# KiCad board OctoCom.kicad_pcb (continued)
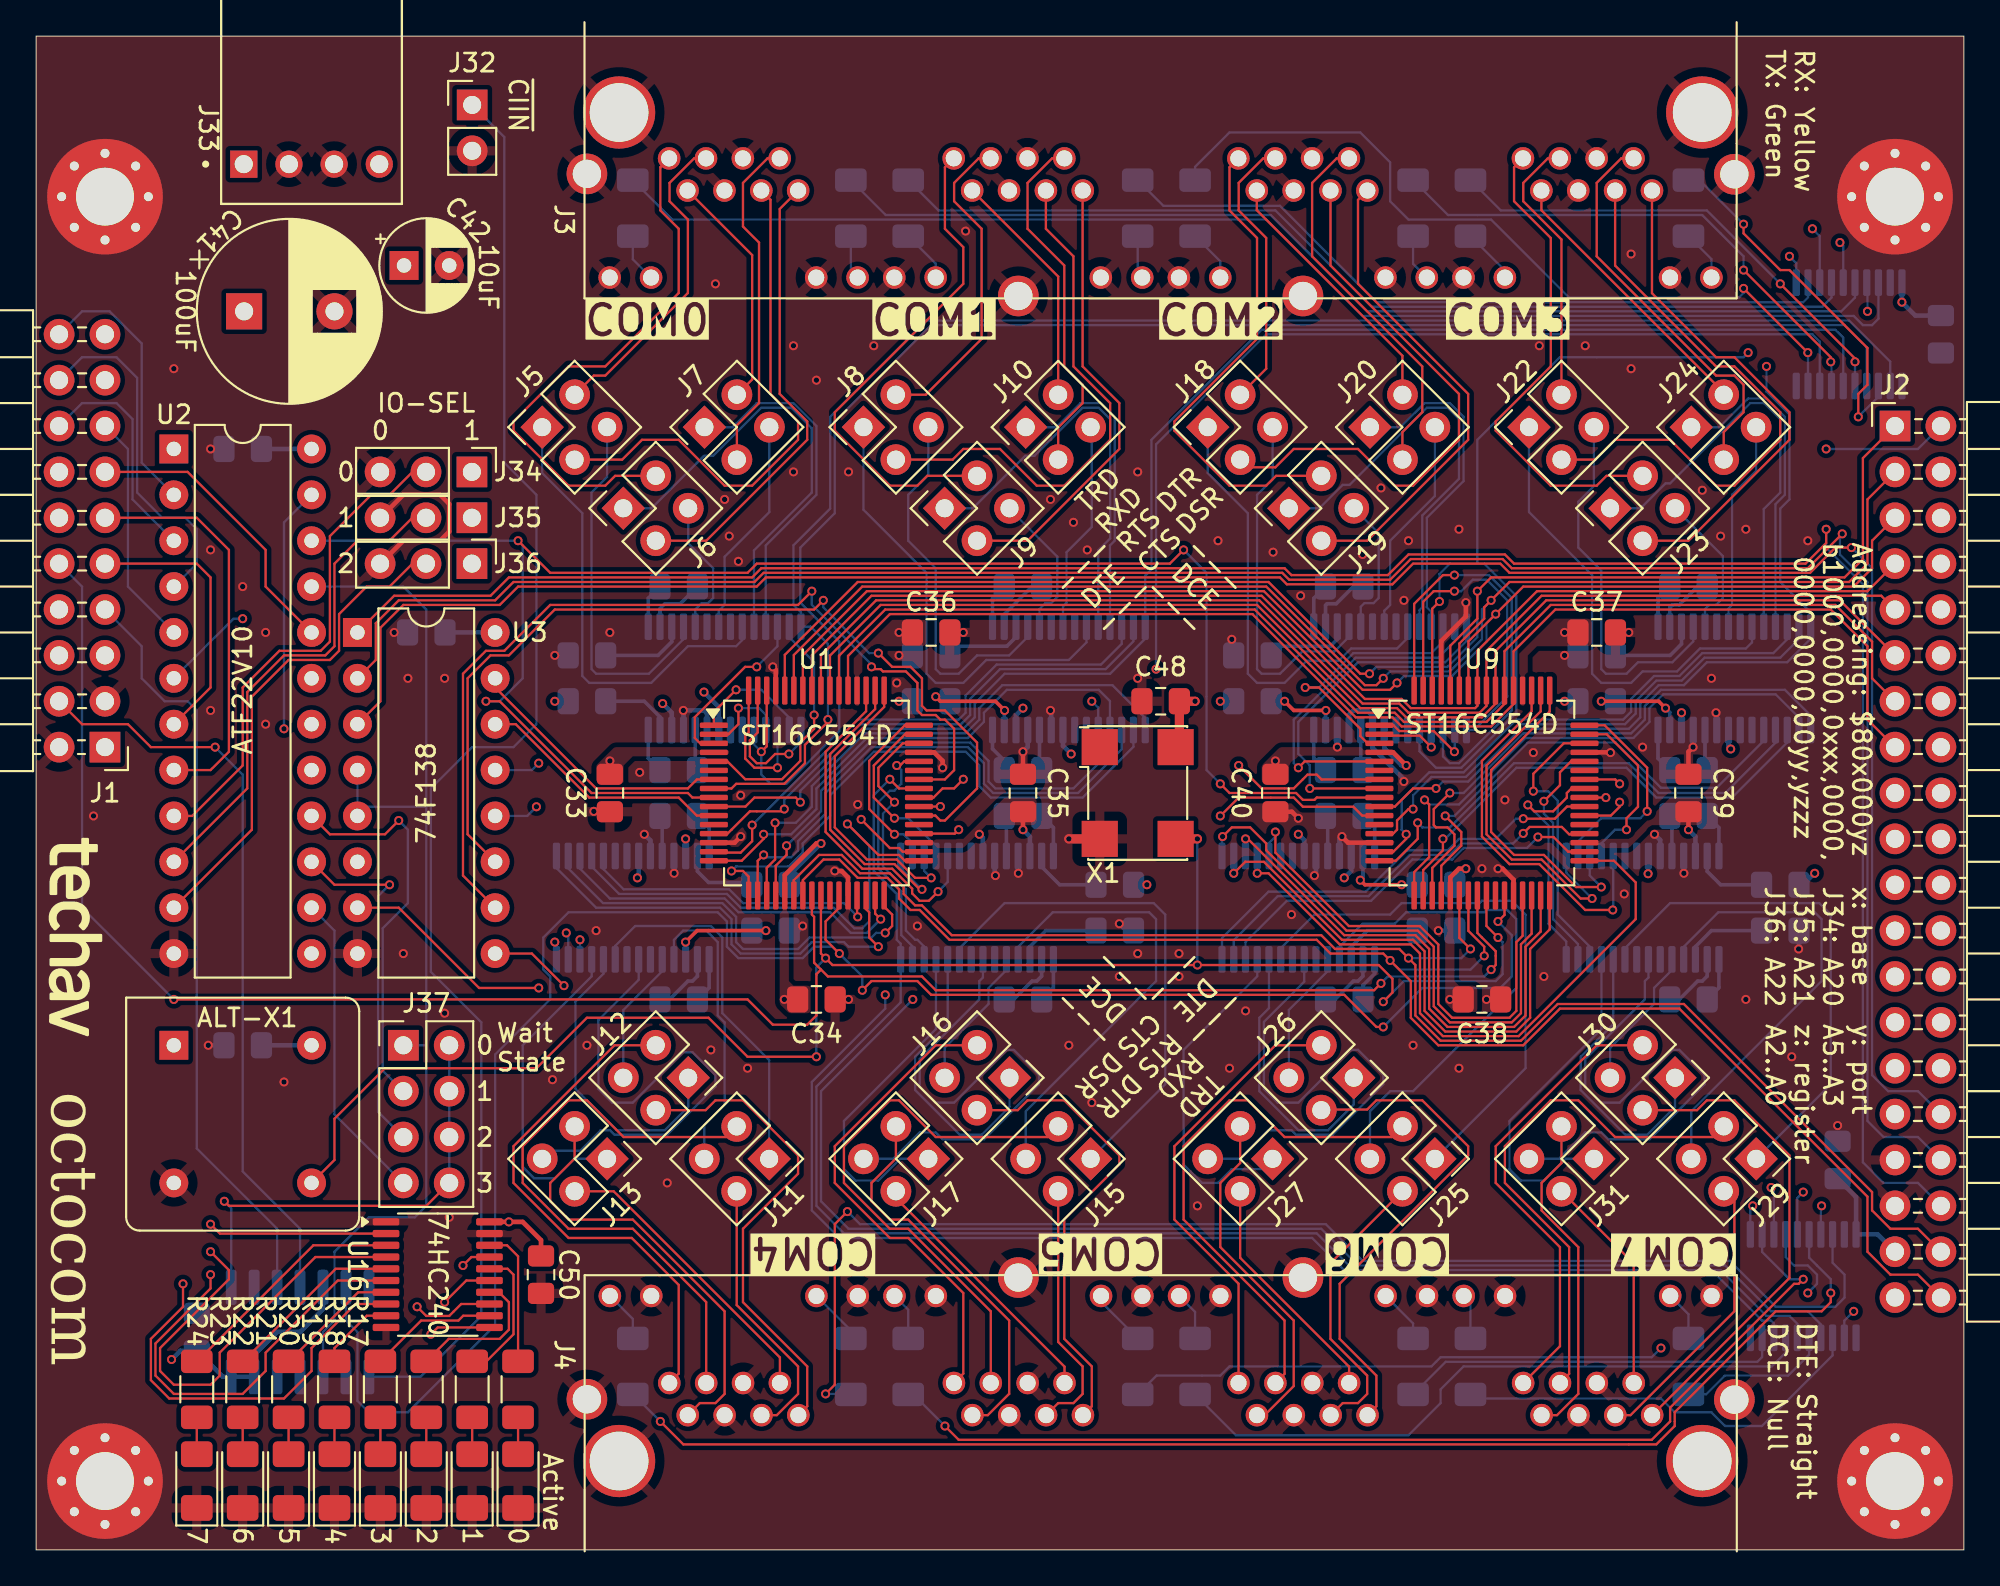
[diagram p0: board, top side]
## Footprints (pads in the part's own frame, mm; a bottom-side part is the same pattern mirrored in y, then rotated) (continued)
R_1206_3216Metric_Pad1.30x1.75mm_HandSolder
  rrect 1.3x1.75 smd: 1(-1.55,0) 2(1.55,0)
SO-14_3.9x8.65mm_P1.27mm
  rrect 1.95x0.6 smd: 1(-2.475,3.81) 2(-2.475,2.54) 3(-2.475,1.27) 4(-2.475,0) 5(-2.475,-1.27) 6(-2.475,-2.54) 7(-2.475,-3.81) 8(2.475,-3.81) 9(2.475,-2.54) 10(2.475,-1.27) 11(2.475,0) 12(2.475,1.27) 13(2.475,2.54) 14(2.475,3.81)
TE_4-171826-4
  rect 1.508x1.508 hole 1: 1(3.75,4.55)
  round 1.508 hole 1: 2(1.25,4.55) 3(-1.25,4.55) 4(-3.75,4.55)
TSSOP-20_4.4x6.5mm_P0.65mm
  rrect 1.475x0.4 smd: 1(-2.862,2.925) 2(-2.862,2.275) 3(-2.862,1.625) 4(-2.862,0.975) 5(-2.862,0.325) 6(-2.862,-0.325) 7(-2.862,-0.975) 8(-2.862,-1.625) 9(-2.862,-2.275) 10(-2.862,-2.925) 11(2.862,-2.925) 12(2.862,-2.275) 13(2.862,-1.625) 14(2.862,-0.975) 15(2.862,-0.325) 16(2.862,0.325) 17(2.862,0.975) 18(2.862,1.625) 19(2.862,2.275) 20(2.862,2.925)
TSSOP-28_4.4x9.7mm_P0.65mm
  rrect 1.475x0.4 smd: 1(-2.862,4.225) 2(-2.862,3.575) 3(-2.862,2.925) 4(-2.862,2.275) 5(-2.862,1.625) 6(-2.862,0.975) 7(-2.862,0.325) 8(-2.862,-0.325) 9(-2.862,-0.975) 10(-2.862,-1.625) 11(-2.862,-2.275) 12(-2.862,-2.925) 13(-2.862,-3.575) 14(-2.862,-4.225) 15(2.862,-4.225) 16(2.862,-3.575) 17(2.862,-2.925) 18(2.862,-2.275) 19(2.862,-1.625) 20(2.862,-0.975) 21(2.862,-0.325) 22(2.862,0.325) 23(2.862,0.975) 24(2.862,1.625) 25(2.862,2.275) 26(2.862,2.925) 27(2.862,3.575) 28(2.862,4.225)

## Nets
GND: ALT-X1.4 C4.2 C8.2 C12.2 C16.2 C20.2 C24.2 C28.2 C32.2 C33.2 C34.2 C35.2 C36.2 C37.2 C38.2 C39.2 C40.2 C41.2 C42.2 C43.2 C44.2 C45.2 C46.2 C47.2 C48.2 C49.2 C50.2 D1.1 D2.1 D3.1 D4.1 D5.1 D6.1 D7.1 D8.1 H1.1 H2.1 H3.1 H4.1 J1.2 J1.3 J2.33 J2.35 J3.A4 J3.A5 J3.A9 J3.A11 J3.B4 J3.B5 J3.B9 J3.B11 J3.C4 J3.C5 J3.C9 J3.C11 J3.D4 J3.D5 J3.D9 J3.D11 J3.SH J4.A4 J4.A5 J4.A9 J4.A11 J4.B4 J4.B5 J4.B9 J4.B11 J4.C4 J4.C5 J4.C9 J4.C11 J4.D4 J4.D5 J4.D9 J4.D11 J4.SH J32.2 J33.2 J33.3 J34.3 J35.3 J36.3 U1.14 U1.28 U1.45 U1.61 U2.12 U3.8 U4.23 U4.25 U5.23 U5.25 U6.23 U6.25 U7.23 U7.25 U8.23 U8.25 U9.14 U9.28 U9.45 U9.61 U10.23 U10.25 U11.23 U11.25 U12.1 U12.10 U12.19 U13.2 U13.7 U13.9 U13.12 U14.23 U14.25 U15.1 U15.10 U15.19 U16.1 U16.10 U16.19 X1.2
VCC: ALT-X1.8 C3.2 C6.2 C10.2 C14.2 C18.2 C22.2 C26.2 C30.2 C33.1 C34.1 C35.1 C36.1 C37.1 C38.1 C39.1 C40.1 C41.1 C42.1 C43.1 C44.1 C45.1 C46.1 C47.1 C48.1 C49.1 C50.1 J2.37 J2.39 J33.1 J34.1 J35.1 J36.1 U1.4 U1.21 U1.35 U1.52 U2.24 U3.6 U3.16 U4.22 U4.26 U5.22 U5.26 U6.22 U6.26 U7.22 U7.26 U8.22 U8.26 U9.4 U9.21 U9.35 U9.52 U10.22 U10.26 U11.22 U11.26 U12.20 U13.5 U13.13 U13.14 U14.22 U14.26 U15.20 U16.20 X1.4
/COM0-C1+: C1.1 U4.28
/COM0-C1-: C1.2 U4.24
/COM0-C2+: C2.1 U4.1
/COM0-C2-: C2.2 U4.2
/COM0-CS-LED: D1.2 R17.2
/COM0-CS-LED-R: R17.1 U16.18
/COM0-CTS: U1.2 U4.18
/COM0-CTS232: J6.4 U4.5
/COM0-DCD: U1.64 U4.17
/COM0-DCD232: U4.6
/COM0-DSR: U1.1 U4.16
/COM0-DSR232: J7.4 U4.7
/COM0-DTR: U1.3 U4.12
/COM0-DTR232: J7.1 U4.11
/COM0-IRQ: U1.6
/COM0-P2: J3.D6 J5.3
/COM0-P3: J3.D3 J5.2
/COM0-P4: J3.D2 J7.2
/COM0-P6: J3.D7 J7.3
/COM0-P7: J3.D1 J6.2
/COM0-P8: J3.D8 J6.3
/COM0-RI: U1.63 U4.15
/COM0-RI232: U4.8
/COM0-RTS: U1.5 U4.13
/COM0-RTS232: J6.1 U4.10
/COM0-RX: U1.62 U4.19 U12.4
/COM0-RX232: J5.4 U4.4
/COM0-RX-lED: J3.D12 R2.2
/COM0-RX-LED-R: R2.1 U12.16
/COM0-TX: U1.8 U4.14 U12.2
/COM0-TX232: J5.1 U4.9
/COM0-TX-LED: J3.D10 R1.2
/COM0-TX-LED-R: R1.1 U12.18
/COM0-V+: C3.1 U4.27
/COM0-V-: C4.1 U4.3
/COM1-C1+: C5.1 U5.28
/COM1-C1-: C5.2 U5.24
/COM1-C2+: C7.1 U5.1
/COM1-C2-: C7.2 U5.2
/COM1-CS-LED: D2.2 R18.2
/COM1-CS-LED-R: R18.1 U16.16
/COM1-CTS: U1.16 U5.18
/COM1-CTS232: J9.4 U5.5
/COM1-DCD: U1.18 U5.17
/COM1-DCD232: U5.6
/COM1-DSR: U1.17 U5.16
/COM1-DSR232: J10.4 U5.7
/COM1-DTR: U1.15 U5.12
/COM1-DTR232: J10.1 U5.11
/COM1-IRQ: U1.12
/COM1-P2: J3.C6 J8.3
/COM1-P3: J3.C3 J8.2
/COM1-P4: J3.C2 J10.2
/COM1-P6: J3.C7 J10.3
/COM1-P7: J3.C1 J9.2
/COM1-P8: J3.C8 J9.3
/COM1-RI: U1.19 U5.15
/COM1-RI232: U5.8
/COM1-RTS: U1.13 U5.13
/COM1-RTS232: J9.1 U5.10
/COM1-RX: U1.20 U5.19 U12.8
/COM1-RX232: J8.4 U5.4
/COM1-RX-lED: J3.C12 R4.2
/COM1-RX-LED-R: R4.1 U12.12
/COM1-TX: U1.10 U5.14 U12.6
/COM1-TX232: J8.1 U5.9
/COM1-TX-LED: J3.C10 R3.2
/COM1-TX-LED-R: R3.1 U12.14
/COM1-V+: C6.1 U5.27
/COM1-V-: C8.1 U5.3
/COM2-C1+: C9.1 U6.28
/COM2-C1-: C9.2 U6.24
/COM2-C2+: C11.1 U6.1
/COM2-C2-: C11.2 U6.2
/COM2-CS-LED: D3.2 R19.2
/COM2-CS-LED-R: R19.1 U16.14
/COM2-CTS: U1.33 U6.18
/COM2-CTS232: J12.4 U6.5
/COM2-DCD: U1.31 U6.17
/COM2-DCD232: U6.6
/COM2-DSR: U1.32 U6.16
/COM2-DSR232: J13.4 U6.7
/COM2-DTR: U1.34 U6.12
/COM2-DTR232: J13.1 U6.11
/COM2-IRQ: U1.37
/COM2-P2: J4.A6 J11.3
/COM2-P3: J4.A3 J11.2
/COM2-P4: J4.A2 J13.2
/COM2-P6: J4.A7 J13.3
/COM2-P7: J4.A1 J12.2
/COM2-P8: J4.A8 J12.3
/COM2-RI: U1.30 U6.15
/COM2-RI232: U6.8
/COM2-RTS: U1.36 U6.13
/COM2-RTS232: J12.1 U6.10
/COM2-RX: U1.29 U6.19 U15.4
/COM2-RX232: J11.4 U6.4
/COM2-RX-lED: J4.A12 R6.2
/COM2-RX-LED-R: R6.1 U15.16
/COM2-TX: U1.39 U6.14 U15.2
/COM2-TX232: J11.1 U6.9
/COM2-TX-LED: J4.A10 R5.2
/COM2-TX-LED-R: R5.1 U15.18
/COM2-V+: C10.1 U6.27
/COM2-V-: C12.1 U6.3
/COM3-C1+: C13.1 U7.28
/COM3-C1-: C13.2 U7.24
/COM3-C2+: C15.1 U7.1
/COM3-C2-: C15.2 U7.2
/COM3-CS-LED: D4.2 R20.2
/COM3-CS-LED-R: R20.1 U16.12
/COM3-CTS: U1.47 U7.18
/COM3-CTS232: J16.4 U7.5
/COM3-DCD: U1.49 U7.17
/COM3-DCD232: U7.6
/COM3-DSR: U1.48 U7.16
/COM3-DSR232: J17.4 U7.7
/COM3-DTR: U1.46 U7.12
/COM3-DTR232: J17.1 U7.11
/COM3-IRQ: U1.43
/COM3-P2: J4.B6 J15.3
/COM3-P3: J4.B3 J15.2
/COM3-P4: J4.B2 J17.2
/COM3-P6: J4.B7 J17.3
/COM3-P7: J4.B1 J16.2
/COM3-P8: J4.B8 J16.3
/COM3-RI: U1.50 U7.15
/COM3-RI232: U7.8
/COM3-RTS: U1.44 U7.13
/COM3-RTS232: J16.1 U7.10
/COM3-RX: U1.51 U7.19 U15.8
/COM3-RX232: J15.4 U7.4
/COM3-RX-lED: J4.B12 R8.2
/COM3-RX-LED-R: R8.1 U15.12
/COM3-TX: U1.41 U7.14 U15.6
/COM3-TX232: J15.1 U7.9
/COM3-TX-LED: J4.B10 R7.2
/COM3-TX-LED-R: R7.1 U15.14
/COM3-V+: C14.1 U7.27
/COM3-V-: C16.1 U7.3
/COM4-C1+: C17.1 U8.28
/COM4-C1-: C17.2 U8.24
/COM4-C2+: C19.1 U8.1
/COM4-C2-: C19.2 U8.2
/COM4-CS-LED: D5.2 R21.2
/COM4-CS-LED-R: R21.1 U16.9
/COM4-CTS: U8.18 U9.2
/COM4-CTS232: J19.4 U8.5
/COM4-DCD: U8.17 U9.64
/COM4-DCD232: U8.6
/COM4-DSR: U8.16 U9.1
/COM4-DSR232: J20.4 U8.7
/COM4-DTR: U8.12 U9.3
/COM4-DTR232: J20.1 U8.11
/COM4-IRQ: U9.6
/COM4-P2: J3.B6 J18.3
/COM4-P3: J3.B3 J18.2
/COM4-P4: J3.B2 J20.2
/COM4-P6: J3.B7 J20.3
/COM4-P7: J3.B1 J19.2
/COM4-P8: J3.B8 J19.3
/COM4-RI: U8.15 U9.63
/COM4-RI232: U8.8
/COM4-RTS: U8.13 U9.5
/COM4-RTS232: J19.1 U8.10
/COM4-RX: U8.19 U9.62 U12.13
/COM4-RX232: J18.4 U8.4
/COM4-RX-lED: J3.B12 R10.2
/COM4-RX-LED-R: R10.1 U12.7
/COM4-TX: U8.14 U9.8 U12.11
/COM4-TX232: J18.1 U8.9
/COM4-TX-LED: J3.B10 R9.2
/COM4-TX-LED-R: R9.1 U12.9
/COM4-V+: C18.1 U8.27
/COM4-V-: C20.1 U8.3
/COM5-C1+: C21.1 U10.28
/COM5-C1-: C21.2 U10.24
/COM5-C2+: C23.1 U10.1
/COM5-C2-: C23.2 U10.2
/COM5-CS-LED: D6.2 R22.2
/COM5-CS-LED-R: R22.1 U16.7
/COM5-CTS: U9.16 U10.18
/COM5-CTS232: J23.4 U10.5
/COM5-DCD: U9.18 U10.17
/COM5-DCD232: U10.6
/COM5-DSR: U9.17 U10.16
/COM5-DSR232: J24.4 U10.7
/COM5-DTR: U9.15 U10.12
/COM5-DTR232: J24.1 U10.11
/COM5-IRQ: U9.12
/COM5-P2: J3.A6 J22.3
/COM5-P3: J3.A3 J22.2
/COM5-P4: J3.A2 J24.2
/COM5-P6: J3.A7 J24.3
/COM5-P7: J3.A1 J23.2
/COM5-P8: J3.A8 J23.3
/COM5-RI: U9.19 U10.15
/COM5-RI232: U10.8
/COM5-RTS: U9.13 U10.13
/COM5-RTS232: J23.1 U10.10
/COM5-RX: U9.20 U10.19 U12.17
/COM5-RX232: J22.4 U10.4
/COM5-RX-lED: J3.A12 R12.2
/COM5-RX-LED-R: R12.1 U12.3
/COM5-TX: U9.10 U10.14 U12.15
/COM5-TX232: J22.1 U10.9
/COM5-TX-LED: J3.A10 R11.2
/COM5-TX-LED-R: R11.1 U12.5
/COM5-V+: C22.1 U10.27
/COM5-V-: C24.1 U10.3
/COM6-C1+: C25.1 U11.28
/COM6-C1-: C25.2 U11.24
/COM6-C2+: C27.1 U11.1
/COM6-C2-: C27.2 U11.2
/COM6-CS-LED: D7.2 R23.2
/COM6-CS-LED-R: R23.1 U16.5
/COM6-CTS: U9.33 U11.18
/COM6-CTS232: J26.4 U11.5
/COM6-DCD: U9.31 U11.17
/COM6-DCD232: U11.6
/COM6-DSR: U9.32 U11.16
/COM6-DSR232: J27.4 U11.7
/COM6-DTR: U9.34 U11.12
/COM6-DTR232: J27.1 U11.11
/COM6-IRQ: U9.37
/COM6-P2: J4.C6 J25.3
/COM6-P3: J4.C3 J25.2
/COM6-P4: J4.C2 J27.2
/COM6-P6: J4.C7 J27.3
/COM6-P7: J4.C1 J26.2
/COM6-P8: J4.C8 J26.3
/COM6-RI: U9.30 U11.15
/COM6-RI232: U11.8
/COM6-RTS: U9.36 U11.13
/COM6-RTS232: J26.1 U11.10
/COM6-RX: U9.29 U11.19 U15.13
/COM6-RX232: J25.4 U11.4
/COM6-RX-lED: J4.C12 R14.2
/COM6-RX-LED-R: R14.1 U15.7
/COM6-TX: U9.39 U11.14 U15.11
/COM6-TX232: J25.1 U11.9
/COM6-TX-LED: J4.C10 R13.2
/COM6-TX-LED-R: R13.1 U15.9
/COM6-V+: C26.1 U11.27
/COM6-V-: C28.1 U11.3
/COM7-C1+: C29.1 U14.28
/COM7-C1-: C29.2 U14.24
/COM7-C2+: C31.1 U14.1
/COM7-C2-: C31.2 U14.2
/COM7-CS-LED: D8.2 R24.2
/COM7-CS-LED-R: R24.1 U16.3
/COM7-CTS: U9.47 U14.18
/COM7-CTS232: J30.4 U14.5
/COM7-DCD: U9.49 U14.17
/COM7-DCD232: U14.6
/COM7-DSR: U9.48 U14.16
/COM7-DSR232: J31.4 U14.7
/COM7-DTR: U9.46 U14.12
/COM7-DTR232: J31.1 U14.11
/COM7-IRQ: U9.43
/COM7-P2: J4.D6 J29.3
/COM7-P3: J4.D3 J29.2
/COM7-P4: J4.D2 J31.2
/COM7-P6: J4.D7 J31.3
/COM7-P7: J4.D1 J30.2
/COM7-P8: J4.D8 J30.3
/COM7-RI: U9.50 U14.15
/COM7-RI232: U14.8
/COM7-RTS: U9.44 U14.13
/COM7-RTS232: J30.1 U14.10
/COM7-RX: U9.51 U14.19 U15.17
/COM7-RX232: J29.4 U14.4
/COM7-RX-lED: J4.D12 R16.2
/COM7-RX-LED-R: R16.1 U15.3
/COM7-TX: U9.41 U14.14 U15.15
/COM7-TX232: J29.1 U14.9
/COM7-TX-LED: J4.D10 R15.2
/COM7-TX-LED-R: R15.1 U15.5
/COM7-V+: C30.1 U14.27
/COM7-V-: C32.1 U14.3
/COM-CLK: ALT-X1.5 U1.25 U9.25 X1.3
/CPU-A0: J1.10 U1.24 U9.24
/CPU-A1: J2.40 U1.23 U9.23
/CPU-A2: J2.38 U1.22 U9.22
/CPU-A3: J2.36 U3.1
/CPU-A4: J2.34 U3.2
/CPU-A5: J2.32 U3.3
/CPU-A6: J2.30
/CPU-A7: J2.28
/CPU-A8: J2.26
/CPU-A9: J2.24
/CPU-A10: J2.22
/CPU-A11: J2.20
/CPU-A12: J2.18
/CPU-A13: J2.16
/CPU-A14: J2.14
/CPU-A15: J2.12
/CPU-A16: J2.10
/CPU-A17: J2.8
/CPU-A18: J2.6
/CPU-A19: J2.4
/CPU-A20: J2.2 U2.6
/CPU-A21: J1.9 U2.7
/CPU-A22: J1.11 U2.8
/CPU-A23: J1.13 U2.20
/CPU-A31: J1.15 U2.5
/CPU-CLK: J1.1 U2.1
/CPU-D16: J2.31
/CPU-D17: J2.29
/CPU-D18: J2.27
/CPU-D19: J2.25
/CPU-D20: J2.23
/CPU-D21: J2.21
/CPU-D22: J2.19
/CPU-D23: J2.17
/CPU-D24: J2.15 U1.53 U9.53
/CPU-D25: J2.13 U1.54 U9.54
/CPU-D26: J2.11 U1.55 U9.55
/CPU-D27: J2.9 U1.56 U9.56
/CPU-D28: J2.7 U1.57 U9.57
/CPU-D29: J2.5 U1.58 U9.58
/CPU-D30: J2.3 U1.59 U9.59
/CPU-D31: J2.1 U1.60 U9.60
/CPU-R/~{W}: J1.16 U2.3
/IO-RESET: U1.27 U9.27 U13.6
/IOSEL0: J34.2 U2.9
/IOSEL1: J35.2 U2.10
/IOSEL2: J36.2 U2.11
/~{1WS}: J37.7 U2.14
/~{2WS}: J37.5 U2.15
/~{3WS}: J37.3 U2.16
/~{COM0-CS}: U1.7 U3.15 U16.2
/~{COM1-CS}: U1.11 U3.14 U16.4
/~{COM2-CS}: U3.13 U9.7 U16.6
/~{COM3-CS}: U3.12 U9.11 U16.8
/~{COM4-CS}: U1.38 U3.11 U16.11
/~{COM5-CS}: U1.42 U3.10 U16.13
/~{COM6-CS}: U3.9 U9.38 U16.15
/~{COM7-CS}: U3.7 U9.42 U16.17
/~{CPU-AS}: J1.20 U2.2
/~{CPU-CIIN}: J32.1 U13.8
/~{CPU-DSACK0}: J1.7 U13.3
/~{CPU-DS}: J1.18 U2.4
/~{CPU-RESET}: J1.4 U13.4
/~{IO-CE}: J37.1 U2.21 U3.4 U3.5 U13.10
/~{IORD}: U1.40 U2.23 U9.40
/~{IOWR}: U1.9 U2.22 U9.9
Net-(J37-Pin_2): J37.2 J37.4 J37.6 J37.8 U13.1

Pads without a net: ALT-X1 1; J1 5 6 8 12 14 17 19; J33 4; U1 26; U2 13 17 18 19; U4 20 21; U5 20 21; U6 20 21; U7 20 21; U8 20 21; U9 26; U10 20 21; U11 20 21; U13 11; U14 20 21; X1 1

## Via types
v1: diameter 0.5, hole 0.3, Top to Bottom, 318 vias

## Routing (per net, layer and track width the routed paths; a pad name or vN(x,y) marks a point on that pad's centre or on a via; arc(x,y) is an arc through that point)
GND: length 71.1
  Top w0.254: v1(30.86,40.89) 30.88,40.87 C33.2 ; 74.34,39.16 72.6,39.16 v1(72.26,39.5) ; v1(44.2,37.59) 44.58,37.59 44.93,37.24 U1.28 ; v1(38.99,39.5) 38.65,39.16 U1.14 ; C35.2 v1(54.61,44.2) ; J36.3 19.05,54.61 20.32,55.88 22.35,55.88 22.86,56.39 22.86,57.91 22.35,58.42 20.32,58.42 19.05,57.15 J35.3 ; U1.45 49.69,44.16 50.16,43.69 v1(50.16,43.31) ; C37.2 v1(88.14,50.8) ; U9.28 81.76,37.11 81.15,37.72 v1(80.9,37.72) ; U1.61 40.93,48.73 v1(40.77,48.89) ; U9.61 77.76,50.33 79.12,51.69 v1(79.12,52.45) ; v1(91.69,44.45) 91.44,44.2 C39.2 ; C34.2 v1(44.96,30.48) ; C40.2 69.49,40.87 v1(69.85,40.51) ; C36.2 v1(51.31,50.8) ; C38.2 v1(80.26,30.48) ; v1(87.12,44.15) 87.11,44.16 U9.45
  Top w0.508: 58.96,39.37 v1(57.15,39.37)
  Bottom w0.254: v1(54.36,37.46) 54.34,37.48 U7.25 ; v1(91.69,44.45) 91.7,44.46 U10.25 ; U14.23 89.88,39.31 v1(89.56,39.62) ; C47.2 v1(9.52,27.94) ; C28.2 v1(77.6,34.29) ; v1(59.94,34.67) 60.32,34.29 C16.2 ; U6.23 33.99,39.28 v1(33.66,39.62) ; U10.23 93,46.31 v1(92.96,46.35) ; v1(75.69,42.54) 75.69,42.67 73.95,44.41 U8.23 73.95,46.19 73.66,46.48 72.9,46.48 72.66,46.24 U8.25 ; U4.23 37.12,46.31 36.96,46.48 v1(35.81,46.48) 35.82,46.47 U4.25 ; v1(54.61,44.2) 54.88,44.46 U5.25 ; v1(66.17,50.42) 66.27,50.31 C20.2 ; U14.25 91.17,37.48 v1(91.19,37.46) ; v1(97.54,33.27) 97.56,33.3 C32.2 ; v1(72.26,39.5) 72.12,39.36 U11.25 ; U6.25 35.3,37.48 v1(35.31,37.46) ; v1(42.42,34.54) 42.16,34.29 C12.2 ; U11.23 70.82,37.42 v1(70.74,37.34) ; v1(56.13,46.48) 56.17,46.44 U5.23 ; C45.2 v1(19.81,50.8) ; C24.2 v1(84.58,49.53) ; U7.23 53.05,37.38 v1(53.09,37.34) ; C4.2 v1(28.7,49.53) ; C8.2 v1(47.75,49.53) ; C44.2 v1(9.65,60.96)
  vias: v1(3.17,40.64) v1(7.62,65.41) v1(9.65,55.37) v1(9.65,46.48) v1(11.43,53.34) v1(12.7,50.8) v1(12.7,45.72) v1(13.72,25.91) v1(20.32,33.02) v1(20.57,48.26) v1(22.61,48.26) v1(22.61,29.72) v1(22.86,18.41) v1(28.57,26.03) v1(30.48,27.94) v1(30.99,34.29) v1(31.75,50.8) v1(33.4,43.05) v1(34.92,20.32) v1(37.34,27.69) v1(37.59,70.1) v1(38.1,58.17) v1(38.35,56.13) v1(38.86,54.74) v1(38.99,41.78) v1(39.37,26.67) v1(41.91,66.67) v1(41.91,59.69) v1(43.18,64.77) v1(44.96,59.69) v1(45.47,41.27) v1(46.35,66.67) v1(47.62,48.01) v1(48.77,34.54) v1(51.44,73.02) v1(56.13,58.17) v1(57.15,27.94) v1(57.4,56.9) v1(58.17,55.37) v1(58.42,24.77) v1(59.94,31.75) v1(60.96,59.69) v1(60.96,48.26) v1(60.96,33.02) v1(63.25,33.02) v1(63.25,31.75) v1(64.26,19.05) v1(65.41,55.88) v1(66.04,26.67) v1(66.93,29.84) v1(68.45,55.24) v1(69.47,35.18) v1(69.98,52.83) v1(73.41,55.12) v1(74.42,58.8) v1(75.69,52.58) v1(75.95,55.88) v1(76.2,27.94) v1(78.74,56.52) v1(78.74,26.67) v1(80.01,37.72) v1(81.28,41.53) v1(82.85,44.15) v1(83.19,66.67) v1(83.44,31.75) v1(85.72,66.67) v1(87.88,36.32) v1(88.26,71.75) v1(88.26,65.41) v1(88.9,44.45) v1(92.2,58.67) v1(92.71,48.26) v1(93.22,56.13) v1(94.62,56.52) v1(94.62,30.48) v1(97.16,27.3) v1(98.04,55.88) v1(99.69,23.49)
VCC: length 80
  Top w0.254: v1(75.82,43.43) 75.09,44.16 74.34,44.16 ; v1(43.43,39.12) 43.18,39.12 41.43,37.37 U1.21 ; U16.20 26.16,18.16 v1(26.16,18.16) 26.92,18.16 27.94,17.14 C50.1 ; v1(91.44,39.88) C39.1 ; U9.21 78.26,37.24 78.74,37.72 v1(79.12,37.72) ; v1(54.61,39.88) C35.1
  Top w0.508: 62.96,44.45 63.27,44.76 C48.1 v1(64.13,46.99)
  Bottom w0.254: 15.88,14.54 15.88,13.33 14.6,12.06 13.33,12.06 12.06,10.79 U13.13 10.33,9.59 C46.1 7.98,11.03 v1(7.49,10.54) ; v1(65.53,46.99) C18.2 ; C10.2 41.68,37.36 v1(43.43,39.12) ; C49.1 100.72,19.53 U15.20 101.91,17.47 J2.37 ; U6.22 33.34,37.28 v1(33.27,37.21) ; C43.1 103.99,68.35 v1(103.25,69.09) 103.25,69.09 U12.20 ; v1(98.42,37.46) 97.79,36.83 C30.2 ; 56.82,45.4 56.82,44.52 v1(57.28,44.07) ; C3.2 v1(28.7,46.99) ; C44.1 U2.24 ; v1(54.61,39.88) 54.99,39.49 U7.26 ; v1(35.94,39.37) 35.94,39.37 U6.26 ; U7.22 52.39,39.43 v1(52.2,39.62) ; U8.26 72,44.45 v1(72.01,44.45) ; U4.22 37.77,46.68 v1(36.96,47.5) ; 54.22,45.4 54.22,46.22 v1(54.61,46.61) ; v1(91.44,39.88) 91.82,39.49 91.82,38.42 ; U11.22 70.17,39.3 v1(69.85,39.62) ; C45.1 U3.16 ; v1(72.39,37.21) 72.78,37.6 U11.26 ; U4.26 35.17,46.36 v1(34.67,46.86) ; C14.2 v1(61.47,36.83) ; C22.2 v1(84.58,46.99) ; U10.22 93.66,44.47 v1(93.78,44.35) ; v1(79.12,37.72) 78.51,37.11 C26.2 ; U14.22 89.2,38.4 v1(89.2,37.44) ; v1(75.82,43.43) 75.56,43.43 74.6,44.39 74.6,45.4 ; C6.2 v1(47.75,46.99) ; ALT-X1.8 C47.1 ; v1(91.06,46.35) 91.06,45.4
  vias: v1(31.75,43.69) v1(41.4,30.48) v1(47.75,50.8) v1(68.58,43.69) v1(78.23,30.48) v1(84.58,50.8)
/COM0-C1+: length 2.5
  Bottom w0.2: C1.1 33.88,43.83 U4.28
/COM0-C1-: length 2.3
  Bottom w0.2: U4.24 36.47,43.3 C1.2
/COM0-C2+: length 2.5
  Bottom w0.2: U4.1 33.88,52.69 C2.1
/COM0-C2-: length 3.6
  Bottom w0.2: C2.2 35.65,52.39 34.8,52.39 34.52,52.11 U4.2
/COM0-CS-LED: length 2
  Top w0.127: D1.2 R17.2
/COM0-CS-LED-R: length 7.7
  Top w0.127: U16.18 26.06,16.86 26.67,16.26 R17.1
/COM0-CTS: length 5
  Top w0.127: v1(38.86,46.61) 38.86,45.72 38.3,45.16 U1.2
  Bottom w0.127: v1(38.86,46.61) 40,46.61 40.38,46.24 U4.18
/COM0-CTS232: length 7.7
  Bottom w0.127: J6.4 36.09,55.73 37.46,54.36 37.46,52.7 37.18,52.42 36.83,52.42 36.47,52.07 U4.5
/COM0-DCD: length 7.9
  Top w0.127: v1(41.02,43.31) 39.75,43.31 39.24,43.81 39.24,45.08 39.43,45.27 U1.64
  Bottom w0.127: v1(41.02,43.31) U4.17
/COM0-DSR: length 6.7
  Top w0.127: U1.1 37.5,46.39 v1(38.73,47.62)
  Bottom w0.127: U4.16 41.67,46.08 40.13,47.62 v1(38.73,47.62)
/COM0-DSR232: length 12.2
  Bottom w0.127: J7.4 40.58,57.47 38.1,54.99 38.1,52.32 37.77,52 U4.7
/COM0-DTR: length 9.6
  Top w0.127: v1(39.88,48.89) 39.24,48.89 36.45,46.11 36.45,44.96 36.75,44.66 U1.3
  Bottom w0.127: v1(39.88,48.89) 41.02,50.04 U4.12
/COM0-DTR232: length 19.5
  Bottom w0.127: U4.11 40.38,55.61 43.18,58.42 43.18,62.23 41.91,63.5 39.88,63.5 38.54,62.17 J7.1
/COM0-P2: length 29.6
  Top w0.127: J5.3 32.43,60.37 33.53,61.47 35.56,61.47 38.1,58.93 39.62,58.93 42.16,61.47 42.16,62.48 40.64,64.01 40.64,74.76 J3.D6
/COM0-P3: length 17.7
  Top w0.127: J3.D3 36.41,77.05 35.05,75.69 35.05,74.68 36.07,73.66 36.07,69.6 31.5,65.02 30.86,65.02 J5.2
/COM0-P4: length 13.1
  Top w0.127: J3.D2 39.62,71.7 39.62,64.81 J7.2
/COM0-P6: length 18.8
  Top w0.127: J3.D7 40.47,77.05 39.12,75.69 39.12,73.28 40,72.39 40,63.5 38.78,62.28 J7.3
/COM0-P7: length 30
  Top w0.127: J6.2 32.04,59.47 31.5,58.93 29.46,58.93 26.42,61.98 26.42,62.48 29.46,65.53 31.5,65.53 35.56,69.6 35.56,73.15 34.54,74.17 34.54,76.56 J3.D1
/COM0-P8: length 25.6
  Top w0.127: J6.3 37.08,55.88 42.67,61.47 42.67,62.48 41.15,64.01 41.15,74.25 J3.D8
/COM0-RI: length 8
  Top w0.127: U1.63 39.93,45.26 39.5,44.83 39.5,43.94 39.88,43.56 40.39,43.56 40.89,44.07 v1(41.66,44.07)
  Bottom w0.127: U4.15 42.32,44.74 v1(41.66,44.07)
/COM0-RTS: length 13.9
  Top w0.127: v1(43.05,46.23) 43.05,45.47 42.29,44.7 42.29,43.69 41.27,42.67 39.24,42.67 38.25,43.66 U1.5
  Bottom w0.127: U4.13 41.67,50.53 43.05,49.15 v1(43.05,46.23)
/COM0-RTS232: length 25.5
  Bottom w0.127: J6.1 34.05,57.68 36.96,60.58 37.46,60.58 40.13,63.25 41.78,63.25 42.93,62.1 42.93,58.55 39.72,55.35 U4.10
/COM0-RX: length 92.7
  Top w0.127: v1(40.13,44.2) 40.43,44.49 U1.62
  Bottom w0.127: U4.19 39.72,44.6 v1(40.13,44.2) 40.13,42.93 40.64,42.42 41.53,42.42 44.45,45.34 44.45,50.29 42.29,52.45 42.29,55.5 44.2,57.4 44.2,62.48 49.53,67.82 100.08,67.82 101.31,66.59 U12.4
/COM0-RX232: length 20.4
  Bottom w0.127: U4.4 35.82,50.43 33.91,48.51 30.99,48.51 30.73,48.77 30.73,58.55 31.6,59.41 J5.4
/COM0-RX-lED: length 2.5
  Bottom w0.127: J3.D12 45.08,70.82 45.08,72.74
/COM0-RX-LED-R: length 59.7
  Bottom w0.127: R2.1 47.02,73.91 68.33,73.91 73.66,68.58 99.89,68.58 100.66,69.34 100.66,70.17
/COM0-TX: length 90.4
  Top w0.127: v1(43.81,45.97) 43.81,45.85 42.55,44.58 42.55,43.56 41.4,42.42 38.74,42.42 38.48,42.16 U1.8
  Bottom w0.127: U12.2 102.6,65.8 100.33,68.07 49.28,68.07 43.94,62.74 43.94,57.66 41.91,55.63 41.91,52.32 42.32,51.91 U4.14 42.86,51.12 43.81,50.16 v1(43.81,45.97)
/COM0-TX232: length 25.4
  Bottom w0.127: J5.1 28,59.63 30.23,57.4 30.23,48.39 30.61,48.01 34.04,48.01 36.07,50.04 38.73,50.04 39.07,50.38 U4.9
/COM0-TX-LED: length 2.7
  Bottom w0.127: J3.D10 33.02,71.46 33.02,72.74
/COM0-TX-LED-R: length 74.4
  Bottom w0.127: R1.1 35.2,73.66 68.07,73.66 73.41,68.33 100.58,68.33 101.09,67.82 101.6,67.82 101.95,68.17 U12.18
/COM0-V+: length 4.1
  Bottom w0.2: U4.27 34.52,46.12 33.66,46.99 C3.1
/COM0-V-: length 4.8
  Bottom w0.2: U4.3 35.17,50.29 34.42,49.53 C4.1
/COM1-C1+: length 2.5
  Bottom w0.2: C5.1 53.57,43.71 52.92,44.36 52.92,45.4
/COM1-C1-: length 2.3
  Bottom w0.2: C5.2 55.52,43.3 55.52,45.4
/COM1-C2+: length 2.5
  Bottom w0.2: C7.1 52.92,52.69 52.92,51.12
/COM1-C2-: length 3.4
  Bottom w0.2: C7.2 55.12,53.34 53.57,51.8 U5.2
/COM1-CS-LED: length 2
  Top w0.127: D2.2 R18.2
/COM1-CS-LED-R: length 7.7
  Top w0.127: R18.1 24.92,10.44 26.42,11.94 26.42,15.24 26.09,15.56 U16.16
/COM1-CTS: length 28.8
  Top w0.127: U1.16 39.05,38.16 40.26,39.37 v1(40.26,39.62)
  Bottom w0.127: v1(40.26,39.62) 41.78,39.62 43.18,41.02 43.18,42.16 45.97,44.96 51.56,44.96 52.45,45.85 52.45,46.35 53.72,47.62 58.8,47.62 59.42,47 59.42,45.4
/COM1-CTS232: length 8.2
  Bottom w0.127: J9.4 53.87,57.64 56.52,54.99 56.52,52.77 56.17,52.42 55.85,52.42 55.52,52.1 55.52,51.12
/COM1-DCD: length 29.5
  Top w0.127: v1(40.26,38.48) 39.93,38.15 U1.18
  Bottom w0.127: U5.17 60.07,44.33 57.66,41.91 52.96,41.91 52.45,42.42 52.45,43.56 51.56,44.45 46.23,44.45 43.69,41.91 43.69,40.77 42.16,39.24 42.16,38.73 41.78,38.35 40.39,38.35 v1(40.26,38.48)
/COM1-DSR: length 31.9
  Top w0.127: U1.17 39.43,37.28 39.12,37.59 v1(38.48,37.59)
  Bottom w0.127: v1(38.48,37.59) 38.73,37.85 41.66,37.85 42.42,38.61 42.42,39.12 43.94,40.64 43.94,41.78 46.35,44.2 51.44,44.2 52.2,43.43 52.2,42.29 52.83,41.66 57.91,41.66 60.72,44.47 U5.16
/COM1-DSR232: length 11.7
  Bottom w0.127: 56.82,51.12 56.82,52.25 57.02,52.45 57.02,55.24 58.42,56.64 58.42,62.1 J10.4
/COM1-DTR: length 29.4
  Top w0.127: U1.15 38.17,38.66 38.23,38.61 38.99,38.61 39.62,39.24 v1(39.62,40.13)
  Bottom w0.127: v1(39.62,40.13) 45.47,45.97 51.05,45.97 51.44,46.35 51.44,47.31 53.15,49.02 58.93,49.02 60.07,50.17 U5.12
/COM1-DTR232: length 17.5
  Bottom w0.127: 59.42,51.12 59.42,55.61 59.69,55.88 59.69,62.74 58.93,63.5 57.78,63.5 56.45,62.17 J10.1
/COM1-P2: length 29.3
  Top w0.127: J3.C6 55.88,73.15 57.4,71.63 57.4,65.53 59.44,63.5 59.44,61.47 56.9,58.93 55.37,58.93 53.34,60.96 51.31,60.96 50.72,60.37 J8.3
/COM1-P3: length 17.9
  Top w0.127: J3.C3 52.16,77.05 50.8,75.69 50.8,74.68 52.32,73.15 52.32,67.06 49.23,63.96 J8.2
/COM1-P4: length 13.3
  Top w0.127: J10.2 56.56,70.51 J3.C2
/COM1-P6: length 19.7
  Top w0.127: J10.3 56.56,62.15 57.91,63.5 57.91,64.52 56.9,65.53 56.9,71.12 54.86,73.15 54.86,75.69 56.22,77.05 J3.C7
/COM1-P7: length 28
  Top w0.127: J9.2 49.31,59.47 48.77,58.93 47.24,58.93 44.2,61.98 44.2,62.99 51.31,70.1 51.31,72.14 50.29,73.15 50.29,76.56 J3.C1
/COM1-P8: length 25.1
  Top w0.127: J3.C8 57.91,75.26 57.91,65.53 59.94,63.5 59.94,60.96 54.86,55.88 J9.3
/COM1-RI: length 30.3
  Top w0.127: U1.19 40.43,37.76 40.89,38.23 v1(40.89,40.26)
  Bottom w0.127: U5.15 61.38,46.07 59.56,47.88 53.47,47.88 52.2,46.61 52.2,45.97 51.44,45.21 45.85,45.21 42.93,42.29 42.93,41.15 42.04,40.26 v1(40.89,40.26)
/COM1-RTS: length 29.3
  Top w0.127: v1(41.4,41.02) 41.27,40.89 39.5,40.89 38.26,39.66 U1.13
  Bottom w0.127: U5.13 60.72,50.31 59.18,48.77 53.34,48.77 51.69,47.12 51.69,46.23 51.18,45.72 45.59,45.72 41.4,41.53 v1(41.4,41.02)
/COM1-RTS232: length 23.5
  Bottom w0.127: U5.10 58.78,55.35 59.44,56.01 59.44,62.61 58.8,63.25 57.91,63.25 55.24,60.58 54.74,60.58 51.83,57.68 J9.1
/COM1-RX: length 88.4
  Top w0.127: U1.20 40.93,37.88 41.53,38.48 v1(41.53,38.99)
  In1.Cu w0.127: v1(61.98,48.77) 61.98,47.75 61.21,46.99 v1(58.42,46.99)
  Bottom w0.127: U12.8 98.7,66.9 98.3,67.31 68.07,67.31 61.98,61.21 v1(61.98,48.77) ; v1(58.42,46.99) 58.78,46.63 U5.19 58.78,43.53 57.4,42.16 53.09,42.16 52.7,42.54 52.7,43.69 51.69,44.7 46.1,44.7 43.43,42.04 43.43,40.89 v1(41.53,38.99)
/COM1-RX232: length 21.1
  Bottom w0.127: U5.4 54.88,50.56 53.85,49.53 52.07,49.53 51.05,48.51 50.04,48.51 49.78,48.77 49.78,54.36 48.26,55.88 48.26,58.42 49.38,59.54 J8.4
/COM1-RX-lED: length 2.4
  Bottom w0.127: J3.C12 60.96,70.7 60.96,72.74
/COM1-RX-LED-R: length 40.8
  Bottom w0.127: R4.1 62.38,74.42 68.83,74.42 74.17,69.09 97.79,69.09 98.06,69.35 98.06,70.17
/COM1-TX: length 83.6
  Top w0.127: U1.10 39.25,41.16 39.75,41.66 42.04,41.66 v1(42.29,41.4)
  Bottom w0.127: v1(42.29,41.4) 42.29,42.04 45.72,45.47 51.31,45.47 51.94,46.1 51.94,46.86 53.59,48.51 59.44,48.51 61.38,50.45 U5.14 61.38,53.94 61.72,54.29 61.72,61.47 67.82,67.56 99.57,67.56 100,67.13 U12.6
/COM1-TX232: length 26
  Bottom w0.127: U5.9 58.12,50.25 57.15,49.28 52.58,49.28 51.31,48.01 49.78,48.01 49.28,48.51 49.28,54.1 45.78,57.59 J8.1
/COM1-TX-LED: length 2.9
  Bottom w0.127: J3.C10 49.78,71.22 48.26,72.74
/COM1-TX-LED-R: length 55
  Bottom w0.127: U12.14 99.35,69.34 98.85,68.83 73.91,68.83 68.58,74.17 49.94,74.17 R3.1
/COM1-V+: length 6.1
  Top w0.2: v1(49.78,47.24) 50.04,46.99 53.09,46.99 v1(53.59,46.48)
  Bottom w0.2: U5.27 53.57,46.46 v1(53.59,46.48) ; v1(49.78,47.24) 50.31,47.24 C6.1
/COM1-V-: length 4.7
  Bottom w0.2: C8.1 51.08,50.04 53.72,50.04 54.22,50.54 54.22,51.12
/COM2-C1+: length 2.5
  Bottom w0.2: C9.1 37.24,39.99 U6.28
/COM2-C1-: length 2.3
  Bottom w0.2: U6.24 34.64,40.52 C9.2
/COM2-C2+: length 2.5
  Bottom w0.2: C11.1 37.24,31.13 U6.1
/COM2-C2-: length 3.5
  Bottom w0.2: U6.2 36.59,31.77 36.32,31.5 36.07,31.5 35.05,30.48 C11.2
/COM2-CS-LED: length 2
  Top w0.127: D3.2 R19.2
/COM2-CS-LED-R: length 8.1
  Top w0.127: U16.14 25.61,14.27 26.16,13.72 26.16,12.19 25.65,11.68 22.83,11.68 R19.1
/COM2-CTS: length 28.2
  Top w0.127: v1(44.89,40.2) 46.61,38.48 47.75,38.48 48.07,38.16 U1.33
  Bottom w0.127: v1(44.89,40.2) 46.1,38.99 46.1,34.8 45.72,34.42 45.28,34.42 44.13,35.56 38.99,35.56 38.23,36.32 32.26,36.32 30.74,37.83 U6.18
/COM2-CTS232: length 7.4
  Bottom w0.127: U6.5 34.64,32.04 32.49,29.89 J12.4
/COM2-DCD: length 20.6
  Top w0.127: v1(46.74,34.92) 46.43,35.23 U1.31
  Bottom w0.127: v1(46.74,34.92) 45.97,34.16 45.08,34.16 43.94,35.31 38.86,35.31 38.1,36.07 31.75,36.07 30.09,37.72 U6.17
/COM2-DSR: length 23.7
  Top w0.127: v1(46.99,34.16) 47.37,34.54 47.37,35.18 46.93,35.62 U1.32
  Bottom w0.127: U6.16 29.44,37.74 31.37,35.81 37.97,35.81 38.73,35.05 38.73,33.65 39.12,33.27 42.16,33.27 42.8,33.91 46.23,33.91 46.48,34.16 v1(46.99,34.16)
/COM2-DSR232: length 28.7
  Bottom w0.127: J13.4 28.45,22.1 30.1,22.1 31.24,23.24 31.75,23.24 32,22.99 34.92,22.99 37.59,25.65 37.59,26.29 36.32,27.56 35.81,27.56 33.02,24.77 31.88,24.77 31.11,25.53 31.11,29.34 33.34,31.57 U6.7
/COM2-DTR: length 25.4
  Top w0.127: v1(45.66,40.45) 47.24,38.86 47.75,38.86 47.95,38.66 U1.34
  In1.Cu w0.127: v1(45.66,40.45) 45.47,40.26 45.47,37.34 43.56,35.43 31.11,35.43 30.09,34.41 v1(30.09,33.78)
  Bottom w0.127: v1(30.09,33.78) U6.12
/COM2-DTR232: length 18.5
  Bottom w0.127: J13.1 29.78,21.65 28.7,20.57 27.56,20.57 26.92,21.21 26.92,27.94 30.74,31.76 U6.11
/COM2-P2: length 33.4
  Top w0.127: J11.3 38.18,22.86 32.51,22.86 30.48,24.89 29.46,24.89 26.92,22.35 26.92,20.32 29.46,17.78 33.02,17.78 37.08,13.72 J4.A6
/COM2-P3: length 15.1
  Top w0.127: J4.A3 40.99,7.46 42.16,8.64 42.16,10.16 38.77,13.55 J11.2
/COM2-P4: length 16.6
  Top w0.127: J4.A2 41.16,10.66 31.96,19.86 J13.2
/COM2-P6: length 24
  Top w0.127: J13.3 29.8,21.67 28.45,20.32 28.45,19.3 29.46,18.29 33.02,18.29 38.1,13.21 38.1,8.64 37.59,8.13 36.73,8.13 J4.A7
/COM2-P7: length 26.7
  Top w0.127: J12.2 37.05,24.35 37.59,24.89 39.12,24.89 42.16,21.84 42.16,20.83 39.12,17.78 39.12,13.72 42.67,10.16 42.67,7.95 J4.A1
/COM2-P8: length 29.4
  Top w0.127: J4.A8 35.56,9.76 35.56,14.67 32.96,17.27 29.46,17.27 26.42,20.32 26.42,22.35 32,27.94 J12.3
/COM2-RI: length 24.7
  Top w0.127: U1.30 45.93,35.48 46.1,35.31 46.1,33.91 v1(46.61,33.4)
  Bottom w0.127: v1(46.61,33.4) 44.96,33.4 44.7,33.65 42.93,33.65 42.29,33.02 38.99,33.02 38.48,33.53 38.48,34.92 37.85,35.56 30.99,35.56 28.8,37.75 U6.15
/COM2-RTS: length 29.3
  Top w0.127: U1.36 50.84,39.66 v1(51.05,39.88)
  In1.Cu w0.127: v1(29.34,34.16) 29.46,34.04 29.46,33.27 29.72,33.02 30.73,33.02 32.89,35.18 43.69,35.18 46.86,38.35 49.53,38.35 v1(51.05,39.88)
  Bottom w0.127: v1(29.34,34.16) 29.44,34.05 U6.13
/COM2-RTS232: length 17.1
  Bottom w0.127: U6.10 31.39,31.9 29.84,30.35 29.84,25.53 32.13,23.24 34.8,23.24 36.09,24.53 J12.1
/COM2-RX: length 96.9
  Top w0.127: v1(45.47,35.05) 45.43,35.09 U1.29
  In1.Cu w0.127: v1(48.51,30.48) 48.01,29.97 46.74,29.97 46.35,30.35 46.35,31.88 45.47,32.77 v1(45.47,35.05)
  Bottom w0.127: v1(45.47,35.05) 44.7,35.81 39.12,35.81 38.35,36.58 32.51,36.58 31.39,37.69 U6.19 ; U15.4 98.76,12.49 98.04,13.21 96.01,13.21 93.47,15.75 73.15,15.75 71.12,17.78 44.96,17.78 43.43,19.3 43.43,25.4 v1(48.51,30.48)
/COM2-RX232: length 16.6
  Bottom w0.127: J11.4 36.97,23.51 38.1,24.64 38.1,29.21 37.72,29.59 37.72,33.65 37.08,34.29 35.81,34.29 35.3,33.78 U6.4
/COM2-RX-lED: length 2.9
  Bottom w0.127: R6.2 33.02,12.79 J4.A12
/COM2-RX-LED-R: length 75.4
  Top w0.127: v1(99.31,14.22) 99.31,13.72 98.81,13.21 96.27,13.21 90.68,7.62 90.68,6.86 89.66,5.84 35.81,5.84 v1(34.54,7.11)
  Bottom w0.127: v1(99.31,14.22) 99.31,14.99 98.12,16.18 98.12,17.47 ; v1(34.54,7.11) 33.05,8.61 R6.1
/COM2-TX: length 119.8
  Top w0.127: v1(50.04,41.16) U1.39
  In1.Cu w0.127: v1(50.04,41.16) 50.03,41.16 49.15,42.04 45.21,42.04 44.2,41.02 44.2,39.75 44.83,39.12 44.83,37.08 43.43,35.69 29.91,35.69 28.7,34.48 v1(28.7,33.65) 28.32,33.65 26.67,32 26.67,30.23 27.69,29.21 35.05,29.21 35.81,28.45 50.8,28.45 51.56,29.21 71.88,29.21 83.95,17.14 98.42,17.14 100.58,14.99 v1(100.58,13.21)
  Bottom w0.127: U6.14 28.8,33.56 v1(28.7,33.65) ; v1(100.58,13.21) 100.06,12.69 U15.2
/COM2-TX232: length 20.7
  Bottom w0.127: J11.1 40.57,27.13 37.97,29.72 37.97,33.91 37.34,34.54 33.15,34.54 32.05,33.44 U6.9
/COM2-TX-LED: length 3.1
  Bottom w0.127: J4.A10 45.08,12.15 R5.2
/COM2-TX-LED-R: length 73.4
  Top w0.127: v1(44.89,18.73) 44.2,18.03 44.2,9.14 v1(43.69,8.64)
  Bottom w0.127: R5.1 45.06,8.64 v1(43.69,8.64) ; U15.18 99.41,15.9 100.08,15.24 100.08,13.97 99.57,13.46 96.27,13.46 93.73,16 73.41,16 71.37,18.03 45.59,18.03 v1(44.89,18.73)
/COM2-V+: length 4.2
  Bottom w0.2: C10.1 39.48,36.96 37.21,36.96 36.59,37.57 U6.27
/COM2-V-: length 6.5
  Top w0.2: v1(40.39,34.29) 36.58,34.29 v1(35.94,33.65)
  Bottom w0.2: v1(40.39,34.29) C12.1 ; U6.3 35.94,33.65 v1(35.94,33.65)
/COM3-C1+: length 2.5
  Bottom w0.2: C13.1 56.3,39.99 56.3,38.42
/COM3-C1-: length 2.3
  Bottom w0.2: U7.24 53.69,40.52 C13.2
/COM3-C2+: length 2.5
  Bottom w0.2: C15.1 56.3,31.13 56.3,32.7
/COM3-C2-: length 3.5
  Bottom w0.2: U7.2 55.64,31.77 55.37,31.5 55.12,31.5 54.1,30.48 C15.2
/COM3-CS-LED: length 2
  Top w0.127: D4.2 R20.2
/COM3-CS-LED-R: length 7.1
  Top w0.127: R20.1 21.31,12.7 23.37,12.7 23.63,12.96 U16.12
/COM3-CTS: length 10.1
  Top w0.127: v1(47.5,40.51) 46.35,41.66 46.35,43.43 48.08,45.16 U1.47
  Bottom w0.127: v1(47.5,40.51) 48.26,40.51 49.8,38.98 49.8,38.42
/COM3-CTS232: length 8
  Bottom w0.127: J16.4 50.27,27.79 52.7,30.23 52.7,31.11 53.69,32.1 U7.5
/COM3-DCD: length 16.6
  Top w0.127: U1.49 46.93,46.68 44.2,43.94 44.2,40 45.97,38.23 47.62,38.23 48.64,37.21 v1(49.53,37.21)
  Bottom w0.127: v1(49.53,37.21) 49.14,37.6 U7.17
/COM3-DSR: length 10.1
  Top w0.127: U1.48 48.07,45.66 46.1,43.69 46.1,41.02 v1(47.5,39.62)
  Bottom w0.127: U7.16 48.49,39.13 48.01,39.62 v1(47.5,39.62)
/COM3-DSR232: length 29.5
  Bottom w0.127: J17.4 47.43,21.65 48.89,23.11 49.78,23.11 50.16,22.73 52.45,22.73 55.5,25.78 55.5,26.29 54.1,27.69 53.72,27.69 50.8,24.77 49.78,24.77 48.89,25.65 48.89,27.18 52.2,30.48 52.2,31.5 52.39,31.69 U7.7
